# Allegro board Swan Feather PCB v1.7.brd (continued)
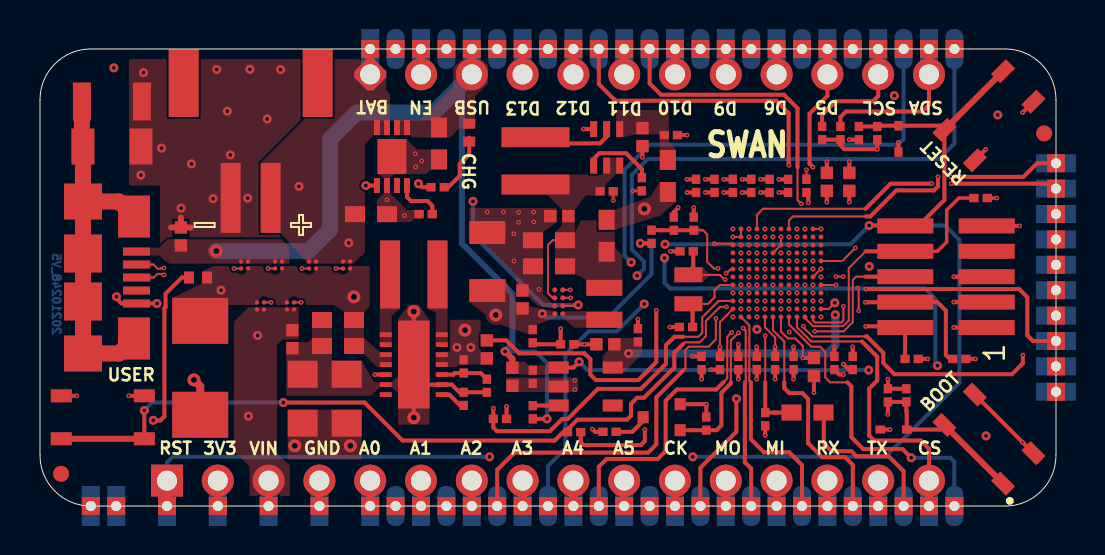
[diagram p0: board, top side]
## Routing (per net, layer and track width the routed paths; a pad name or vN(x,y) marks a point on that pad's centre or on a via; arc(x,y) is an arc through that point) (continued)
CTS: length 7.9
  TOP w0.2: PAD49.1 43.18,1.74 42.43,2.49 40.82,2.49 40.57,2.74 39.57,2.74 39.19,3.12 39.19,4.66
  TOP w0.3: 39.19,4.66 R38.2
CTS2: length 33.1
  INT1 w0.087: 32.16,8.55 32.33,8.55 32.54,8.34 37.49,8.34 37.76,8.61 37.76,8.84 36.78,9.82 36.78,10.44 37,10.66 v2(37.05,10.66)
  INT1 w0.2: 32.16,8.55 25.35,8.55 22.48,11.42 22.48,20.09 22.82,20.44 24.83,20.44 25.4,21.01 PAD22.1
CTS3: length 15.8
  INT1 w0.087: v2(37.85,12.26) 37.87,12.26 38.16,11.96 38.38,11.96 38.61,12.19 39.02,12.19 39.3,12.47 39.51,12.47 v3(39.52,12.48)
  INT1 w0.2: v3(35.55,17.5) 35.56,17.51 PAD38.1
  INT2 w0.087: 38.98,16.94 38.98,14.91 39.45,14.45 39.45,12.55 v3(39.52,12.48)
  INT2 w0.2: v3(35.55,17.5) 38.63,17.5 38.98,17.15 38.98,16.94
D0: length 39.5
  TOP w0.1: v2(40.77,12.91) 40.11,12.26 U6.H1
  INT1 w0.087: 41.27,12.62 41.2,12.62 40.91,12.91 v2(40.77,12.91)
  INT1 w0.2: PAD9.1 17.78,2.73 18.47,3.42 v3(40.64,3.42) ; v3(42.31,12.13) 42.31,12.42 42.11,12.62 41.27,12.62
  INT2 w0.2: v3(42.31,12.13) 42.5,11.94 42.5,5.28 v3(40.64,3.42)
D1: length 38.8
  GND w0.087: v1(38.65,12.26) v2(38.65,12.92)
  INT1 w0.087: v2(38.65,12.92) 38.9,13.16 40.9,13.16 41.13,12.94 41.27,12.94
  INT1 w0.2: PAD12.1 20.36,0.04 20.36,2.31 20.94,2.89 40.82,2.89 v3(41.36,3.43) ; v3(42.91,12.13) 42.91,12.48 42.45,12.94 41.27,12.94
  INT2 w0.2: v3(42.91,12.13) 42.91,4.98 v3(41.36,3.43)
D2: length 23.5
  TOP w0.1: 32.16,6.78 32.27,6.89 32.27,7.81 32.43,7.97 33.43,7.97 33.79,8.33 v2(33.79,9.38)
  TOP w0.2: 32.16,6.78 30.82,5.44 30.82,3.09 30.4,2.67 23.72,2.67 22.86,1.81 PAD18.1
  GND w0.087: v2(35.45,10.26) 35.45,10.3 36.69,11.54 36.69,11.87 37.05,12.23 v1(37.05,12.66)
  INT1 w0.087: v2(33.79,9.38) 34.57,9.38 v2(35.45,10.26)
D3: length 21.5
  INT1 w0.087: 32.16,10.09 34.45,10.09 35.26,10.9 35.66,10.9 35.75,10.81 35.95,10.81 36.49,11.36 36.49,11.36 37.09,11.95 37.09,12.3 v2(37.45,12.66)
  INT1 w0.2: 32.16,10.09 30.96,10.09 30.95,10.11 v4(30.21,10.11)
  BOTTOM w0.2: v4(30.21,10.11) 28.84,8.73 27.43,8.73 26.27,7.58 26.27,2.87 25.4,2 PAD21.1
D4: length 16
  TOP w0.1: v1(34.59,8.68) 34.36,8.46 34.36,6.38 34.17,6.19
  TOP w0.2: 34.17,6.19 33.81,5.83 31.85,5.83 31.28,5.27 31.28,2.75 30.89,2.36 28.33,2.36 27.94,1.96 PAD25.1
  GND w0.087: v1(34.59,8.68) 34.59,8.96 34.94,9.32 34.94,9.61 34.8,9.75 34.8,10.01 v1(35.05,10.26)
D5: length 16.9
  TOP w0.2: v2(38.64,16.95) 38.48,17.12 38.48,19.62 39.37,20.52 J3.10
  TOP w0.4: J3.10 PAD44.1
  GND w0.087: v2(38.45,14.47) 38.11,14.47 37.59,13.96 37.59,13.6 v1(37.45,13.46)
  GND w0.4: PAD44.1 J3.10
  INT1 w0.087: 38.66,16.94 38.66,14.67 v2(38.45,14.47)
  INT1 w0.2: v2(38.64,16.95) 38.66,16.94
  INT1 w0.4: PAD44.1 J3.10
  INT2 w0.4: PAD44.1 J3.10
  POWER w0.4: PAD44.1 J3.10
  BOTTOM w0.4: PAD44.1 J3.10
D6: length 28.8
  TOP w0.4: J3.9 PAD40.1
  GND w0.087: v3(37.03,11.4) 37.05,11.42 v1(37.05,11.86)
  GND w0.4: PAD40.1 J3.9
  INT1 w0.4: PAD40.1 J3.9
  INT2 w0.087: v3(37.03,11.4) 37.05,11.38 37.05,11.34 37.18,11.21 37.18,9.42 37.56,9.04 38.89,9.04 39.26,9.41 39.26,10.37 40.29,11.4 40.29,14.78 40.92,15.41 40.92,16.94
  INT2 w0.2: 40.92,16.94 40.92,17.55 40.03,18.44 37.09,18.44 36.83,18.7 J3.9
  INT2 w0.4: PAD40.1 J3.9
  POWER w0.4: PAD40.1 J3.9
  BOTTOM w0.4: PAD40.1 J3.9
D7: length 10.7
  INT1 w0.087: 37.02,16.94 37.02,15.33 36.65,14.96 v2(36.65,13.86)
  INT1 w0.2: 37.02,16.94 37.02,17.27 40.64,20.89 PAD46.1
D8: length 10.3
  INT1 w0.087: 36.67,16.94 36.67,16.79 36.84,16.61 36.84,15.43 36.25,14.83 v2(36.25,13.46)
  INT1 w0.2: PAD42.1 38.1,20.53 36.67,19.1 36.67,16.94
D9: length 23.6
  TOP w0.4: J3.8 PAD36.1
  GND w0.087: v3(39.96,12.07) 39.95,12.06 39.95,12.03 39.38,11.46 v1(39.05,11.46)
  GND w0.4: PAD36.1 J3.8
  INT1 w0.4: PAD36.1 J3.8
  INT2 w0.087: 39.99,16.94 39.99,12.09 v3(39.96,12.07)
  INT2 w0.2: 39.99,16.94 39.99,17.61 39.63,17.97 34.73,17.97 34.32,18.38 34.32,21.56 J3.8
  INT2 w0.4: PAD36.1 J3.8
  POWER w0.4: PAD36.1 J3.8
  BOTTOM w0.4: PAD36.1 J3.8
D10: length 19.3
  TOP w0.4: J3.7 PAD32.1
  GND w0.4: PAD32.1 J3.7
  INT1 w0.087: v2(35.85,13.06) 35.85,14.72 35.1,15.47 35.1,16.94
  INT1 w0.2: 35.1,16.94 35.1,17.19 34.81,17.47 32.37,17.47 31.75,18.1 J3.7
  INT1 w0.4: PAD32.1 J3.7
  INT2 w0.4: PAD32.1 J3.7
  POWER w0.4: PAD32.1 J3.7
  BOTTOM w0.4: PAD32.1 J3.7
D11: length 19.8
  TOP w0.4: J3.6 PAD28.1
  GND w0.4: PAD28.1 J3.6
  INT1 w0.087: 32.16,15.1 35.01,15.1 35.45,14.65 v2(35.45,13.86)
  INT1 w0.2: 32.16,15.1 31.76,15.1 29.21,17.65 J3.6
  INT1 w0.4: PAD28.1 J3.6
  INT2 w0.4: PAD28.1 J3.6
  POWER w0.4: PAD28.1 J3.6
  BOTTOM w0.4: PAD28.1 J3.6
D12: length 24.2
  TOP w0.4: J3.5 PAD24.1
  GND w0.087: v3(36.61,12.89) 36.48,12.89 v1(36.25,12.66)
  GND w0.4: PAD24.1 J3.5
  INT1 w0.4: PAD24.1 J3.5
  INT2 w0.087: v3(36.61,12.89) 36.11,13.39 36.11,14.29 35.44,14.95 32.16,14.95
  INT2 w0.2: 32.16,14.95 31.54,14.95 30.48,16.02 30.48,19.51 29.54,20.45 28.5,20.45 27.81,21.14 27.12,21.14 J3.5
  INT2 w0.4: PAD24.1 J3.5
  POWER w0.4: PAD24.1 J3.5
  BOTTOM w0.4: PAD24.1 J3.5
D13: length 28.6
  TOP w0.4: J3.4 PAD20.1
  GND w0.087: v1(36.25,11.86) 36.25,11.85 36.16,11.76 v2(35.68,11.76)
  GND w0.4: PAD20.1 J3.4
  INT1 w0.087: v2(35.68,11.76) 34.36,11.76 33.51,10.91 33.19,10.91 32.69,11.41 32.16,11.41
  INT1 w0.2: v3(25.67,20.63) 25.71,20.59 28.51,20.59 28.91,20.19 28.91,17.52 29.63,16.81 29.63,14.7 30.6,13.72 30.6,12.33 31.52,11.41 32.16,11.41
  INT1 w0.4: PAD20.1 J3.4
  INT2 w0.2: J3.4 24.13,20.9 24.4,20.63 v3(25.67,20.63)
  INT2 w0.4: PAD20.1 J3.4
  POWER w0.4: PAD20.1 J3.4
  BOTTOM w0.4: PAD20.1 J3.4
D14: length 10.2
  TOP w0.1: v1(35.15,8.9) 35.29,8.76 35.29,6.23 35.24,6.19
  TOP w0.2: PAD37.1 35.56,1.87 35.24,2.19 35.24,6.19
  GND w0.087: v1(35.15,8.9) 35.45,9.19 v1(35.45,9.86)
D15: length 11.5
  TOP w0.1: 35.54,6.19 35.47,6.26 35.47,9.04 U6.A11
  TOP w0.2: PAD41.1 38.1,2.05 37.46,2.69 36.2,2.69 35.54,3.34 35.54,6.19
DISCHRG: length 17.7
  TOP w0.2: R8.1 22.34,8.29 23.32,8.29 23.96,7.64 27.22,7.64 27.52,7.34 27.52,6.57 27.8,6.3 29.92,6.3 30.81,7.2 v2(30.81,9.79)
  INT1 w0.087: v2(35.45,10.66) 35.25,10.66 34.39,9.79 32.16,9.79
  INT1 w0.2: 32.16,9.79 30.82,9.79 v2(30.81,9.79)
EN: length 29.3
  TOP w0.1: U1.B1 26.87,10.01 v4(26.91,10.05)
  TOP w0.2: R2.1 24.71,8.09 C8.1 v2(26.03,8.87)
  TOP w0.4: J3.2 PAD14.1
  GND w0.4: PAD14.1 J3.2
  INT1 w0.1: v2(26.03,8.87) 26.03,9.85 26.24,10.05 v4(26.91,10.05)
  INT1 w0.2: J3.2 19.05,17.51 19.77,16.79 21.31,16.79 21.65,16.45 v4(21.65,15.24)
  INT1 w0.4: PAD14.1 J3.2
  INT2 w0.4: PAD14.1 J3.2
  POWER w0.4: PAD14.1 J3.2
  BOTTOM w0.2: v4(21.65,15.24) 21.65,13.56 25.15,10.05 v4(26.91,10.05)
  BOTTOM w0.4: PAD14.1 J3.2
JTDI: length 13.8
  TOP w0.1: U6.A3 38.25,9.4 38.65,9 40.15,9 40.44,9.28 40.44,11.9 41.28,12.74
  TOP w0.17: R30.1 45.94,15.4 45.33,14.8 45.33,13.2 44.87,12.74 J5.8
  TOP w0.2: 41.28,12.74 J5.8
JTDO: length 10.2
  TOP w0.1: 41.27,11.47 40.8,11.47 40.64,11.31 40.64,9.2 40.18,8.74 v1(38.74,8.74)
  TOP w0.2: 41.27,11.47 J5.6
  GND w0.087: v2(37.46,8.7) 38.7,8.7 v1(38.74,8.74)
  INT1 w0.087: v2(36.25,9.86) 36.6,9.5 36.6,8.91 36.81,8.7 v2(37.46,8.7)
LED: length 8.5
  TOP w0.1: 34.54,6.19 34.54,8.28 v1(34.93,8.66)
  TOP w0.2: 34.54,6.19 34.54,6.14 34.07,5.67 34.07,4.04 33.83,3.79 R28.1 32.51,3.79 Q1.1
  GND w0.087: v1(34.93,8.66) 34.93,8.78 34.91,8.8 34.91,9 34.93,9.02 34.93,9.06 35.13,9.26 35.13,9.78 v1(35.05,9.86)
MISO: length 25.2
  TOP w0.4: J2.13 PAD39.1
  GND w0.4: J2.13 PAD39.1
  INT1 w0.087: v2(38.25,12.26) 38.44,12.45 38.9,12.45 39.26,12.8 39.84,12.8 40.71,11.94 41.27,11.94
  INT1 w0.2: v4(41.46,11.98) 41.42,11.94 41.27,11.94
  INT1 w0.4: J2.13 PAD39.1
  INT2 w0.2: v4(41.46,11.98) 42.14,11.31 42.14,5.62 37.79,1.27 J2.13
  INT2 w0.4: J2.13 PAD39.1
  POWER w0.4: J2.13 PAD39.1
  BOTTOM w0.4: J2.13 PAD39.1
MOSI: length 26.9
  TOP w0.4: J2.12 PAD35.1
  GND w0.4: J2.12 PAD35.1
  INT1 w0.087: v3(41.03,12.29) 40.33,12.99 39.11,12.99 38.79,12.67 38.26,12.67 v2(38.25,12.66)
  INT1 w0.4: J2.12 PAD35.1
  INT2 w0.087: 41.03,6.19 v3(41.03,12.29)
  INT2 w0.2: 41.03,6.19 41.03,5.18 38.77,2.91 34.98,2.91 34.29,2.22 J2.12
  INT2 w0.4: J2.12 PAD35.1
  POWER w0.4: J2.12 PAD35.1
  BOTTOM w0.4: J2.12 PAD35.1
NEN_3V3_OUT: length 24.9
  TOP w0.1: 32.16,8.46 32.92,8.46 33.11,8.66 33.11,9.44 33.93,10.26 U6.C12
  TOP w0.2: U2.12 v1(16.74,6.57) ; v1(22.67,4.89) v3(22.67,4.36) 22.67,3.92 22.85,3.74 25.5,3.74 26.1,4.35 26.38,4.35 27.89,5.86 30.04,5.86 31.3,7.11 31.3,8.04 31.72,8.46 32.16,8.46
  GND w0.2: v1(22.67,4.89) v3(22.67,4.36) ; v3(16.74,6.13) v1(16.74,6.57)
  INT1 w0.2: v3(22.67,4.36) 20.34,4.36 18.58,6.13 v3(16.74,6.13)
Net_118:
  vias: v1(35.85,11.46)
Net_119:
  vias: v1(35.45,11.46)
QCLK: length 14.2
  INT1 w0.087: v2(37.45,13.06) 37.48,13.06 37.73,12.8 37.99,12.8 38.53,13.34 41.02,13.34 41.12,13.24 41.27,13.24 41.27,13.24
  INT1 w0.2: 41.27,13.24 48.99,13.24 50.16,12.06 PAD60.1
QCS: length 19
  TOP w0.1: 41.27,8.48 38.62,8.48 38.17,8.93 v1(38.17,8.99)
  TOP w0.2: v2(49.14,7.55) 49.14,7.14 48.6,6.59 42.72,6.59 42.17,7.15 42.17,7.66 41.35,8.48 41.27,8.48
  GND w0.087: v1(38.17,8.99) 38,9.16 38,9.75 38,9.75 38,10.11 v1(37.85,10.26)
  INT1 w0.2: PAD59.1 49.61,10.79 49.14,10.32 v2(49.14,7.55)
QEN: length 15.9
  TOP w0.1: U6.A5 37.45,9.09 38.57,7.97 39.01,7.97 39.26,7.71 39.26,6.43 39.51,6.19 40.37,6.19
  TOP w0.2: 40.37,6.19 40.57,5.99 40.57,3.44 41.16,2.85 43.12,2.85 v4(43.56,2.41)
  BOTTOM w0.2: PAD53.1 45.72,0 45.72,2.21 45.52,2.41 v4(43.56,2.41)
QIO0: length 15.2
  TOP w0.1: 41.29,14.48 37.65,14.48 37.45,14.28 U6.M5
  TOP w0.2: v1(45.55,16.46) 49.17,16.46 49.86,17.15 50.79,17.15 PAD64.1 ; v1(44.9,16.46) 44.9,15.99 44.7,15.79 42.82,15.79 41.51,14.48 41.29,14.48
  GND w0.2: v1(44.9,16.46) v1(45.55,16.46)
QIO1: length 16.4
  TOP w0.1: U6.M9 35.85,14.57 36.15,14.87 41.28,14.87
  TOP w0.2: 41.28,14.87 42.53,16.12 v1(44.58,16.12) ; PAD63.1 50.55,16.12 v1(45.56,16.12)
  GND w0.2: v1(44.58,16.12) v1(45.56,16.12)
QIO2: length 16.4
  INT1 w0.087: v2(37.45,12.26) 38.09,11.61 39.64,11.61 39.77,11.74 41.05,11.74 41.23,11.56 41.27,11.56
  INT1 w0.2: v3(47.07,12.19) 46.44,11.56 41.27,11.56 ; v3(47.07,14.59) 47.08,14.61 PAD62.1
  INT2 w0.2: v3(47.07,12.19) v3(47.07,14.59)
QIO3: length 13.2
  INT1 w0.087: 41.27,13.54 38.33,13.54 v2(37.85,13.06)
  INT1 w0.2: 41.27,13.54 49.96,13.54 50.16,13.34 PAD61.1
RST#: length 92.9
  TOP w0.2: C34.1 R29.1 41.9,19.02 TVS3.1 45.01,19.02 PB2.4 45.22,15.31 43.92,14.01 J5.10 43.24,14.03 v4(41.46,14.03)
  TOP w0.3: PB2.4 PB2.3
  TOP w0.4: J2.1 PAD3.1
  GND w0.087: v1(35.05,12.26) 34.76,12.54 33.83,12.54 v2(33.52,12.85)
  GND w0.4: J2.1 PAD3.1
  INT1 w0.087: v2(33.52,12.85) 33.47,12.8 32.16,12.8
  INT1 w0.2: 32.16,12.8 31.54,12.8 v4(31.25,13.09) ; v4(32.64,2.46) v4(22.48,2.46)
  INT1 w0.4: J2.1 PAD3.1
  INT2 w0.4: J2.1 PAD3.1
  POWER w0.4: J2.1 PAD3.1
  BOTTOM w0.2: v4(22.48,2.46) 22.48,2.46 22.12,2.46 22.12,2.46 6.63,2.46 6.35,2.18 J2.1 ; v4(31.25,13.09) 40.52,13.09 v4(41.46,14.03) 45.25,14.03 45.97,13.31 45.97,6.16 42.27,2.46 v4(32.64,2.46)
  BOTTOM w0.4: J2.1 PAD3.1
RTS: length 12.2
  TOP w0.1: U6.A7 36.65,9.46 36.65,8.79 37.21,8.23 37.21,6.19
  TOP w0.2: PAD45.1 40.64,2.06 40.25,2.44 39.11,2.44 38.41,3.14 38.41,5.35 38.11,5.65 37.46,5.65 37.21,5.9 37.21,6.19
RTS2: length 31.6
  INT1 w0.087: v2(37.05,10.26) 37.41,9.89 37.76,9.89 38.04,9.61 38.04,8.65 37.49,8.1 32.16,8.1
  INT1 w0.2: 32.16,8.1 25.32,8.1 22.13,11.29 22.13,20.22 22.86,20.95 PAD19.1
RTS3: length 19.8
  GND w0.087: v3(37.67,9.47) 37.67,9.48 37.45,9.7 v1(37.45,9.86)
  INT2 w0.087: 38.66,16.94 38.69,16.92 38.69,10.08 38.07,9.47 v3(37.67,9.47)
  INT2 w0.2: 38.66,16.94 38.51,17.09 33.57,17.09 33.02,17.64 PAD34.1
RX: length 24.8
  TOP w0.1: v2(40.89,10.9) 40.89,10.89 40.93,10.85 v2(40.93,9.76)
  TOP w0.4: J2.14 PAD43.1
  GND w0.4: J2.14 PAD43.1
  INT1 w0.087: v2(40.89,10.9) 40.88,10.9 40.79,10.81 39.7,10.81 39.6,10.91 37.7,10.91 v2(37.45,10.66) ; v2(40.93,9.76) 41.27,9.76
  INT1 w0.2: J2.14 39.37,1.96 39.85,2.43 41.25,2.43 42.78,3.97 42.78,9.42 42.44,9.76 41.27,9.76
  INT1 w0.4: J2.14 PAD43.1
  INT2 w0.4: J2.14 PAD43.1
  POWER w0.4: J2.14 PAD43.1
  BOTTOM w0.4: J2.14 PAD43.1
RX0: length 16.2
  TOP w0.1: v1(39.8,11.47) v2(40.16,11.47)
  GND w0.087: v1(38.65,11.06) 39.38,11.06 v1(39.8,11.47)
  INT1 w0.087: 41.27,11.21 41.24,11.21 40.97,11.47 v2(40.16,11.47)
  INT1 w0.2: 41.27,11.21 47.37,11.21 47.83,10.74 47.83,7.35 48.2,6.99 50.8,6.99 PAD56.1
RX2: length 31.7
  INT1 w0.087: v2(36.65,11.06) 36.65,10.54 36.28,10.16 35.74,10.16 34.7,9.12 32.16,9.12
  INT1 w0.2: v3(28.01,14.77) 28.01,12.74 29.49,11.26 29.49,9.66 30.03,9.12 32.16,9.12
  INT2 w0.2: PAD10.1 17.78,16.17 18.26,15.69 27.09,15.69 v3(28.01,14.77)
RX3: length 15.8
  TOP w0.1: v2(38.06,15.12) 37.88,15.3 37.88,16.94
  TOP w0.2: 37.88,16.94 37.88,19.89 37.2,20.57 31.04,20.57 30.48,21.14 PAD26.1
  INT1 w0.087: v2(38.06,15.12) 38.06,14.07 v2(37.85,13.86)
SCK: length 23
  TOP w0.4: J2.11 PAD31.1
  GND w0.4: J2.11 PAD31.1
  INT1 w0.087: v2(37.45,10.26) 37.78,10.26 38.23,9.81 38.23,8.07 v3(38.16,8)
  INT1 w0.4: J2.11 PAD31.1
  INT2 w0.087: v3(38.16,8) 38.16,6.19
  INT2 w0.2: 38.16,6.19 38.16,3.94 37.67,3.45 32.23,3.45 31.75,2.97 J2.11
  INT2 w0.4: J2.11 PAD31.1
  POWER w0.4: J2.11 PAD31.1
  BOTTOM w0.4: J2.11 PAD31.1
SCL: length 31.7
  TOP w0.2: J3.11 41.91,20.5 41.65,20.24 39.79,20.24 39.1,19.56 R42.1
  TOP w0.4: J3.11 PAD48.1
  GND w0.087: v3(36.28,10.66) 36.26,10.63 36.24,10.63 35.86,10.26 v1(35.85,10.26)
  GND w0.4: PAD48.1 J3.11
  INT1 w0.4: PAD48.1 J3.11
  INT2 w0.087: 41.27,14.85 40.82,14.85 40.48,14.51 40.48,9.66 39.69,8.87 37.35,8.87 36.25,9.97 36.25,10.61 36.28,10.63 36.28,10.65 v3(36.28,10.66)
  INT2 w0.2: 41.27,14.85 41.57,14.85 41.91,15.19 J3.11
  INT2 w0.4: PAD48.1 J3.11
  POWER w0.4: PAD48.1 J3.11
  BOTTOM w0.4: PAD48.1 J3.11
SCL2: length 31.7
  INT1 w0.087: 32.16,10.74 32.81,10.74 33.11,10.44 34.3,10.44 35.16,11.3 36.09,11.3 v2(36.25,11.46)
  INT1 w0.2: 32.16,10.74 31.25,10.74 29.8,12.19 v4(29.56,12.19)
  BOTTOM w0.2: PAD50.1 43.18,18.35 42.91,18.08 30.48,18.08 29.23,16.83 29.23,12.52 v4(29.56,12.19)
SCL3: length 29.9
  GND w0.087: v1(35.05,12.66) 34.5,13.2 34.13,13.2 33.87,12.94 v2(33.87,12.85)
  INT1 w0.087: 32.16,12.5 33.53,12.5 v2(33.87,12.85)
  INT1 w0.2: v4(31.22,12.41) 31.54,12.41 31.64,12.5 32.16,12.5
  INT2 w0.2: PAD58.1 48.54,9.53 46.85,7.83 45.69,7.83 v4(44.88,7.02)
  BOTTOM w0.2: v4(44.88,7.02) 44.77,7.13 44.77,10.36 44.25,10.88 31.51,10.88 31.22,11.16 v4(31.22,12.41)
SDA: length 35.1
  TOP w0.2: J3.12 44.45,20.07 44.12,19.73 40.3,19.73 40.02,19.45 R43.1
  TOP w0.4: J3.12 PAD52.1
  GND w0.087: v3(36.19,9.25) 35.98,9.46 v1(35.85,9.46)
  GND w0.4: PAD52.1 J3.12
  INT1 w0.4: PAD52.1 J3.12
  INT2 w0.087: v3(36.19,9.25) 36.75,8.69 39.83,8.69 40.69,9.55 40.69,13.38 40.91,13.61 41.27,13.61
  INT2 w0.2: 41.27,13.61 43.88,13.61 44.45,14.18 J3.12
  INT2 w0.4: PAD52.1 J3.12
  POWER w0.4: PAD52.1 J3.12
  BOTTOM w0.4: PAD52.1 J3.12
SDA2: length 33.8
  INT1 w0.087: v2(35.85,11.06) 35.81,11.1 35.22,11.1 34.39,10.27 32.88,10.27 32.74,10.41 32.16,10.41
  INT1 w0.2: 32.16,10.41 30.93,10.41 29.85,11.49 v4(29.85,11.52)
  BOTTOM w0.2: v4(29.85,11.52) 30.2,11.87 30.2,12.22 29.59,12.83 29.59,16.56 30.38,17.36 44.95,17.36 45.72,18.13 PAD54.1
SDA3: length 14.4
  TOP w0.2: v1(41.29,10.85) 48.95,10.85 49.37,10.44 49.37,8.54 49.65,8.26 PAD57.1
  GND w0.087: v1(38.65,10.66) 41.1,10.66 41.27,10.83
  GND w0.2: v1(41.29,10.85) 41.27,10.83
SWCLK: length 10.5
  TOP w0.1: v1(40.17,9.99) 40.17,9.29 40.06,9.18 38.76,9.18 38.65,9.29 U6.A2 ; v1(41.27,10.19) 41.27,10.19
  TOP w0.2: R37.2 45.49,7.36 45.29,7.56 45.29,9.77 44.86,10.2 J5.4 43.26,10.19 41.27,10.19
  GND w0.087: v1(40.17,9.99) 40.37,10.19 v1(41.27,10.19)
SWDIO: length 7.3
  TOP w0.2: 43.25,8.92 R31.1 ; 43.25,8.92 43.18,8.99 v1(41.28,8.99) ; 43.25,8.92 J5.2
  GND w0.087: 41.27,8.99 38.56,8.99 38.25,9.29 v1(38.25,9.86)
  GND w0.2: 41.27,8.99 v1(41.28,8.99)
TX: length 22.6
  TOP w0.4: J2.15 PAD47.1
  GND w0.4: J2.15 PAD47.1
  INT1 w0.087: 41.27,10.39 40.08,10.39 39.91,10.56 39.72,10.56 39.54,10.74 37.93,10.74 v2(37.85,10.66)
  INT1 w0.2: 41.27,10.39 42.91,10.39 43.11,10.19 43.11,3.67 41.91,2.47 J2.15
  INT1 w0.4: J2.15 PAD47.1
  INT2 w0.4: J2.15 PAD47.1
  POWER w0.4: J2.15 PAD47.1
  BOTTOM w0.4: J2.15 PAD47.1
TX0: length 16.6
  TOP w0.1: U6.E1 v2(39.8,11.06)
  INT1 w0.087: v2(39.8,11.06) 39.92,11.18 40.97,11.18 41.27,10.87
  INT1 w0.2: PAD55.1 47.69,5.71 47.31,6.09 47.31,10.38 46.89,10.8 41.34,10.8 41.27,10.87
TX2: length 28.3
  INT1 w0.087: v2(36.25,12.26) 36.25,12.28 36.51,12.55 36.72,12.55 36.92,12.36 36.92,12.15 36.46,11.7 36.15,11.7 35.94,11.49 35.07,11.49 34.18,10.61 33.23,10.61 32.78,11.06 32.16,11.06
  INT1 w0.2: 32.16,11.06 31.42,11.06 29.26,13.22 29.26,15.97 v3(29.23,16.01)
  INT2 w0.2: v3(29.23,16.01) 21.48,16.01 20.32,17.16 PAD15.1
TX3: length 18.4
  TOP w0.2: v2(37.45,17.05) 37.43,17.06 37.43,19.66 36.82,20.27 28.77,20.27 27.94,21.11 PAD30.1
  INT1 w0.087: v2(37.85,13.46) 37.55,13.75 37.55,13.99 37.75,14.19 37.75,16.77
  INT1 w0.1: 37.75,16.77 37.48,17.05
  INT1 w0.2: 37.48,17.05 v2(37.45,17.05)
USB_DM: length 57
  TOP w0.1: v2(6.2,11.91) 6.07,11.91 6.03,11.87 5.89,11.87 5.67,12.08 J1.2
  INT1 w0.1: PAD2.1 2.54,0.64 3.04,1.14 3.04,11.59 3.31,11.86 5.89,11.86 5.94,11.91 v2(6.2,11.91) 6.42,11.91 6.47,11.86 6.78,11.86 7.02,11.62 7.02,8.88 8.61,7.29 19.09,7.29 19.99,6.39 38.78,6.39 39.1,6.72 39.1,10.21 v2(39.05,10.26)
USB_DP: length 58
  TOP w0.1: J1.3 5.69,11.43 5.87,11.61 6.06,11.61 6.11,11.57 v2(6.2,11.57)
  INT1 w0.1: PAD1.1 3.81,0.64 3.28,1.16 3.28,11.49 3.41,11.62 5.9,11.62 5.93,11.59 6.18,11.59 v2(6.2,11.57) 6.22,11.59 6.4,11.59 6.44,11.62 6.68,11.62 6.78,11.52 6.78,8.78 8.51,7.05 18.99,7.05 19.89,6.15 38.88,6.15 39.34,6.62 39.34,10.34 39.16,10.52 38.81,10.52 38.65,10.36 v2(38.65,10.26)
USB_SHIELD: length 18.3
  TOP w0.8: J1.10 J1.8 J1.9 J1.11 3.95,7.63 J1.7 ; J1.10 2.15,15.23 C1.1 2.1,18.03 R1.1 ; J1.10 3.95,15.23 J1.6
N16738744: length 4.2
  TOP w0.2: U4.2 28.33,18.47 28,18.14 25.08,18.14 L2.1
N16739094: length 3.6
  TOP w0.2: U4.4 27.68,17.37 27.96,17.64 29.3,17.64 30.09,16.85 R9.2
N16741263: length 1.3
  TOP w0.2: U2.1 20.46,5.57 21.01,5.03 C17.1
N16741327: length 2.4
  TOP w0.2: R11.2 22.04,6.65 R6.1 20.75,6.65 20.67,6.57 U2.3
N16745194: length 20.6
  TOP w0.2: PB1.2 44.99,3.83 TVS2.1 43.34,4.73 43.32,4.75 R40.2 C35.1 42.39,5.2 v2(42.39,4.58)
  TOP w0.3: PB1.1 PB1.2
  INT1 w0.087: 41.27,8.53 v3(40.16,8.53) ; v4(35.85,8.83) v2(35.85,9.86)
  INT1 w0.2: v2(42.39,4.58) 42.39,8.2 42.06,8.53 41.27,8.53
  INT2 w0.087: v4(35.85,8.83) 35.85,8.7 36.03,8.53 v3(40.16,8.53)
N16745214: length 4.1
  TOP w0.1: v1(34.26,11.33) 34.22,11.33 33.99,11.56 32.43,11.56 Y1.1
  TOP w0.2: C33.1 32.66,11.94 32.42,11.7 Y1.1
  GND w0.087: v1(34.26,11.33) 34.53,11.06 v1(35.05,11.06)
N16745238: length 4.1
  TOP w0.1: U6.E12 33.99,11.06 33.72,10.79 33.72,10.44 33.4,10.11 32.43,10.11
  TOP w0.2: Y1.2 32.63,9.91 C32.1
N16746539: length 31
  TOP w0.2: v2(27.62,3.85) 27.75,3.71 R27.2 ; v4(5.66,4.29) 5.67,4.28 6.02,4.28 6.22,4.48 6.22,9.9 6.28,9.95 6.28,10.62 7.09,11.43 LD2.1
  INT1 w0.2: v4(5.66,4.29) 6.1,3.85 v2(27.62,3.85)
N16746559: length 1.8
  TOP w0.2: R27.1 29.62,3.71 30.16,4.25 Q1.3
N16760485: length 2.4
  TOP w0.2: R7.2 19.61,15.02 19.38,15.26 18.55,15.26 18.35,15.46 U3.8
N16792389: length 1.3
  TOP w0.2: U5.3 24.65,5.03 R13.2
N16823938: length 7.8
  TOP w0.1: v1(33.9,11.89) 33.69,11.89 33.36,12.21 33.36,13.59 33.16,13.79 C24.1
  TOP w0.2: C24.1 R39.2 31.02,13.79 31.01,13.8 R24.1
  GND w0.087: v1(35.85,12.66) 35.44,12.25 35.44,11.79 35.14,11.49 34.82,11.49 34.42,11.89 v1(33.9,11.89)
N16873164: length 7.1
  TOP w0.1: v1(36.26,8.52) 36.26,6.19
  TOP w0.2: R38.1 36.7,4.68 36.7,4.67 R25.1 36.26,6.19
  GND w0.087: v1(36.25,10.26) 36.26,10.26 36.52,10.01 36.52,8.77 v1(36.26,8.52)
N16884921: length 3.9
  TOP w0.2: R5.1 19.1,15.95 v4(18.92,16.12) ; U3.5 v4(16.29,16.03)
  INT1 w0.2: v4(18.92,16.12) 16.38,16.12 v4(16.29,16.03)
N16885011: length 3.1
  TOP w0.2: 21.46,18.43 LD1.1 21.46,17.57 20.98,17.09 20.98,16.52 20.41,15.95 R5.2
N16886357: length 40.7
  TOP w0.1: v1(34.33,9.96) 34,9.96 33.29,9.25 33.29,8.5 32.98,8.18 32.23,8.18 32.16,8.11
  TOP w0.2: PB3.4 v4(5.22,4.78) ; v4(12.17,5.18) 16.23,5.18 18.13,3.27 25.73,3.27 26.16,3.7 R41.1 26.38,3.83 26.87,4.32 29.35,4.32 29.55,4.52 29.55,5.12 29.85,5.42 30.2,5.42 31.72,6.93 31.72,7.67 32.16,8.11
  TOP w0.3: PB3.3 PB3.4
  GND w0.087: v1(34.33,9.96) 34.35,9.96 34.8,10.41 34.81,10.41 v1(35.05,10.66)
  BOTTOM w0.2: v4(5.22,4.78) 5.61,5.18 v4(12.17,5.18)

## Copper pours and planes (outline as drawn; the poured copper is in the pictures)
+1V8 on TOP: 27.31,10.51 29.11,10.51 29.11,12.54 28.73,12.91 28.73,13.91 28.08,14.29 27.06,14.29 26.75,13.69 26.73,14.81 27.3,15.53 28.23,15.53 28.23,16.03 28.83,16.62 29.16,16.62 29.16,17.42 28.16,17.42 28.16,16.58 26.48,16.58 23.08,16.59 23.08,15.58 25.35,15.58 26.11,14.81 26.11,14.04 25.75,13.69 25.75,11.59 26.75,11.59 27.31,11.31
+3V3 on TOP: 28.81,19.82 28.81,18.45 29.16,18.45 29.81,18.59 30.99,18.59 30.99,16.81 31.79,16.81 31.79,17.87 31.45,18.21 31.45,19.82
+3V3_OUT on TOP: 12.38,4.82 12.38,2.33 16.08,2.33 16.08,4.82
+3V3_OUT on TOP: 19.79,7.69 19.79,6.95 20.85,6.95 20.97,7.08 22.03,7.08 22.03,7.07 22.65,7.07 22.65,7.69 22.03,7.69 22.03,9.31 20.5,9.31 20.5,7.69
+3V3_OUT on POWER: 12.03,9.31 22.03,9.31 22.03,2.32 10.78,2.32 9.99,1.68 9.8,0.5 7.81,0.5 7.81,3.02 12.03,4.44
+3V3_USB on TOP: 28.13,6.63 28.13,7.5 28.41,7.78 28.41,8.4 29.64,8.4 29.69,8.44 30.11,8.44 30.11,7.6 29.13,6.63
+VBAT on TOP: 14.6,22.36 16.69,22.36 17.31,21.74 17.31,20.79 17.5,20.6 17.5,18.55 16.7,18.55 16.25,18.1 16.25,12.69 15.68,12.12 13.57,12.12 13.38,12.12 12.03,13.66 11.03,13.66 11.03,17.16 14.66,20.79 14.6,20.79
+VBAT on POWER: 14.6,22.36 16.69,22.36 17.5,21.55 17.5,18.95 16.25,17.71 16.25,12.12 13.57,12.12 13.38,12.12 2.42,12.12 2.42,22.35 14.6,22.35
+VIN on TOP: 10.42,9.95 12.93,9.95 12.93,8.33 12.14,8.33 11.85,8.05 11.85,2.6 12.5,2.03 12.49,0.5 10.48,0.5 10.48,1.97 9.7,2.75 9.7,9.22
+VIN on POWER: 9.7,9.31 11.85,9.31 11.85,5.55 11.86,4.6 10.23,3.98 9.7,3.98
GND on TOP: 4.45,22.36 13.45,22.36 13.45,12.34 4.45,12.34
GND on TOP: 12.31,8.2 12.31,5.52 16.55,5.52 16.99,5.95 17.59,5.95 17.9,5.64 17.9,4.06 19.48,4.06 19.48,9.27 18.95,10.08 18.45,10.08 17.9,9.35 17.9,6.51 17.59,6.19 16.71,6.19 16.08,7.27 14.6,7.27 14.6,9.71 13.6,9.71 13.6,8.4 13.4,8.2
GND on TOP: 26.9,6.43 26.9,5.7 23.31,5.7 23.31,6.43
GND on TOP: 24.42,10.47 23.82,10.47 23.82,11.49 22.2,13.1 21.47,13.1 21.47,14.91 25.83,14.91 25.83,14.19 25.15,13.69 25.15,10.61 25.63,10.14 25.86,10.14 25.86,9.88 25.01,9.88
GND on TOP: 20.35,17.83 18.84,17.83 18.32,18.35 16.87,18.35 16.87,16.6 17.11,16.5 17.2,16.4 17.2,15.66 16.85,15.31 16.85,14.2 18.53,14.2 18.72,14.39 19.18,14.39 19.18,14.81 18.35,14.81 17.5,15.66 17.5,16.4 17.7,16.6 19.3,16.6 19.55,16.83 20.35,16.83
GND on BOTTOM: 43.33,22.36 48.26,22.36 49.7,21.76 50.3,20.32 50.3,2.54 49.7,1.1 48.26,0.5 45.63,0.5 45.63,2.52 40.95,2.52 40.95,2.26 39.83,2.26 39.8,2.25 39.78,2.22 39.76,2.11 39.77,2.08 39.79,2.07 40.14,1.74 40.27,1.27 40.27,1.22 40.26,1.16 40.27,1.13 40.36,1.06 40.39,1.06 40.4,1.06 40.5,1.09 40.59,1.1 40.69,1.1 40.78,1.09 40.88,1.06 40.89,1.06 40.92,1.06 40.95,1.09 40.95,0.5 16.45,0.5 16.45,2.52 11.34,2.52 11.34,0.5 2.54,0.5 1.1,1.1 0.5,2.54 0.5,20.32 1.1,21.76 2.54,22.36 15.67,22.36 15.67,20.28 20.73,20.28 20.73,22.36 21.25,22.36 21.25,20.74 43.33,20.74 ; 11 cut-outs
GND on GND: 0.5,20.32 1.1,21.76 2.54,22.36 48.26,22.36 49.7,21.76 50.3,20.32 50.3,2.54 49.7,1.1 48.26,0.5 2.54,0.5 1.1,1.1 0.5,2.54
GND on INT1: 0.5,20.32 1.1,21.76 2.54,22.36 48.26,22.36 49.7,21.76 50.3,20.32 50.3,2.54 49.7,1.1 48.26,0.5 2.54,0.5 1.1,1.1 0.5,2.54 ; 20 cut-outs
GND on INT2: 0.5,20.32 1.1,21.76 2.54,22.36 30.11,22.36 30.11,3.97 30.11,4.32 30.09,4.34 30.08,4.35 30.05,4.35 30.02,4.34 29.66,3.97 20.87,3.97 20.87,3.37 20.02,3.37 20.68,4.03 20.75,4.07 20.83,4.09 22.3,4.09 22.33,4.09 22.35,4.11 22.4,4.19 22.4,4.22 22.37,4.3 22.37,4.36 22.67,4.66 22.97,4.36 22.96,4.3 22.93,4.22 22.93,4.19 22.99,4.11 23.01,4.09 23.03,4.09 24.96,4.09 24.98,4.09 25,4.11 25.06,4.19 25.06,4.22 25.03,4.29 25.03,4.36 25.35,4.68 25.68,4.36 25.67,4.29 25.65,4.22 25.65,4.19 25.7,4.11 25.72,4.09 25.74,4.09 27.96,4.09 27.98,4.09 27.99,4.1 28.45,4.56 28.46,4.59 28.45,4.63 28.44,4.64 28.42,4.64 28.37,4.64 26.15,4.64 26.1,4.62 26.06,4.62 25.9,4.68 25.84,4.84 25.84,4.88 25.83,4.9 25.77,4.97 25.76,4.98 25.74,4.99 21.48,4.99 21.46,4.98 21.45,4.97 19.38,2.9 19.31,2.86 19.24,2.84 17.41,2.84 17.39,2.84 17.37,2.83 16.81,2.27 16.8,2.25 16.8,2.23 16.82,2.13 16.83,2.11 16.85,2.11 17.26,1.77 17.41,1.27 17.33,0.9 17.1,0.59 17.09,0.58 17.08,0.56 17.08,0.55 17.1,0.52 17.13,0.5 17.23,0.5 17.29,0.54 17.33,0.55 18.23,0.55 18.27,0.54 18.33,0.5 18.43,0.5 18.46,0.52 18.48,0.55 18.48,0.56 18.47,0.58 18.46,0.59 18.23,0.9 18.15,1.27 18.34,1.82 18.83,2.14 18.85,2.15 18.86,2.18 18.88,2.22 18.91,2.26 19.93,3.27 19.93,2.67 19.36,2.67 19.36,0.5 2.54,0.5 1.1,1.1 0.5,2.54 ; 5 cut-outs
GND on INT2: 31.46,8.66 31.46,5.02 40.39,5.02 40.39,8.66 ; 1 cut-out
GND on INT2: 44.38,22.36 48.26,22.36 49.7,21.76 50.3,20.32 50.3,2.54 49.7,1.1 48.26,0.5 44.29,0.5 44.29,2.13 41.57,2.13 41.57,0.5 40.95,0.5 40.95,1.66 41.4,1.66 41.4,3.74 40.95,3.74 40.95,4.74 42.35,4.74 42.35,12.2 43,12.2 43,13.81 44.2,13.81 44.2,14.24 44.38,14.24 ; 1 cut-out
+VIO on TOP: 27.93,14.82 27.93,13.81 28.73,13.81 30.98,14.52 31.79,15.21 31.79,16.21 30.98,16.21 30.53,15.48 28.73,14.82
+VMAIN on TOP: 21.47,11.35 23.27,11.35 23.82,10.19 24.44,10.19 24.44,10 25.87,9.72 25.87,9.48 24.85,9.05 24.85,8.59 24.43,8.59 22.97,9.09 22.97,9.09 22.79,9.05 22.58,9.1 22.41,9.22 22.33,9.36 22.29,9.55 21.47,10.2
+VMAIN on TOP: 6.61,8.11 6.61,10.41 8.1,11.13 8.1,11.73 8.7,12.01 16.48,12.01 16.48,9.99 16.2,9.7 16.2,8.41 16.99,7.69 17.59,7.69 17.59,6.95 16.84,6.95 16.19,7.61 15.2,7.61 15.2,9.71 14.7,10.05 9.41,10.05 9.41,8.11
+VMAIN on POWER: 6.61,7.61 6.61,12.01 16.48,12.01 16.48,9.84 16.2,9.56 15.2,9.56 14.84,9.91 9.41,9.91 9.41,7.61
+VUSB on TOP: 25.37,6.56 23.97,6.56 23.93,6.6 23.31,6.6 23.31,7.22 24.23,7.22 24.43,7.02 25.23,7.02 25.43,7.23 26.43,7.23 26.43,6.63 25.44,6.63
+VUSB on TOP: 21.17,22.44 22.01,22.44 22.4,22.05 22.4,21.13 21.76,20.48 21.76,18.88 20.95,18.88 20.5,18.43 18.61,18.43 18.49,18.55 17.7,18.55 17.7,19.3 19.02,19.3 20.67,20.95 20.67,21.94
+VUSB on TOP: 5.98,12.53 4.15,12.53 4.15,12.93 5.97,12.93 6.38,13.34 12.07,13.34 12.47,12.94 12.47,12.12 6.39,12.12
N16738898 on TOP: 29.11,9.72 29.11,8.92 26.71,8.92 26.05,9.52 26.02,9.56 26.01,9.61 26.02,9.67 26.05,9.7 26.09,9.73 26.14,9.74 29.09,9.74
N16741439 on TOP: 19.37,13.28 20.37,13.28 20.37,8.71 20.39,8.69 20.39,7.95 19.79,7.95 19.79,9.66 19.37,9.88
N16741447 on TOP: 16.99,13.28 18,13.28 18,9.88 17.59,9.51 17.59,7.95 16.99,7.95
+VIO on POWER: 29.66,22.36 48.26,22.36 49.7,21.76 50.3,20.32 50.3,2.54 49.7,1.1 48.26,0.5 29.66,0.5 ; 1 cut-out

Small or netless copper shapes (teardrops, artwork), in the pictures only: 93 on TOP, 62 on GND, 90 on INT1, 28 on INT2

## Text on the board
BOTTOM: 20210248_V5
Ref Des/Silkscreen Bottom: QCS | QIO2 | QCLK | QIO3 | RX0 | QIO0 | SCL3 | QIO1 | TX0 | SDA3 | DM | DP | RST# | 3V3 | VIN | GND | BAT | A0 | D0 | RX2 | EN | A1 | TX2 | D1 | A2 | USB | RTS2 | D2 | A3 | D13 | CTS2 | D3 | A4 | D12 | TX3 | D4 | A5 | D11 | RX3 | A6 | SCK | D10 | RTS3 | A7 | MOSI | D9 | D14 | CTS3 | D6 | MISO | D15 | D8 | RX | D5 | D7 | RTS | TX | SCL | CTS | SCL2 | SDA | CS | SDA2 | QEN | 1.7 | SWAN
Ref Des/Silkscreen Top: USER | RST | 3V3 | VIN | GND | A0 | A1 | A2 | A3 | A4 | A5 | CK | MO | MI | RX | TX | CS | BOOT | RESET | BAT | EN | USB | D13 | D12 | D11 | D10 | D9 | D6 | D5 | SCL | SDA | CHG | SWAN
XSECTION_CHART: *  SURFACE - AIR 0 MM | * SOLDERMASK_TOP MASK - SOLDERMASK 0.02 MM | L1 TOP CONDUCTOR - COPPER 0.035 MM | *  DIELECTRIC - FR-4 0.08 MM | L2 GND PLANE - COPPER 0.018 MM | L3 INT1 CONDUCTOR - COPPER 0.018 MM | *  DIELECTRIC - FR-4 1.13 MM | L4 INT2 CONDUCTOR - COPPER 0.018 MM | L5 POWER PLANE - COPPER 0.018 MM | L6 BOTTOM CONDUCTOR - COPPER 0.035 MM | * SOLDERMASK_BOTTOM MASK - SOLDERMASK 0.02 MM | DESIGN CROSS SECTION CHART | ___________________________ | TOTAL THICKNESS 1.632 MM | 1-6 | 1-2 | 2-5 | 2-3
PAGE_OUTLINE: 90 ohm | 15/09/2021
User.9: Put PCB data code and/or manufacturer logo | on Bottom Side
User.17: FIGURE | FINISHED SIZE | 0.2 | 0.3 | 0.5 | 1.0 | ALL UNITS ARE IN MILLIMETERS | TOLERANCE | +0.075/-0.075 | TYPE | PLATED | QTY | 55 | 10 | 64 | 11 | 17 | DRILL CHART: TOP to BOTTOM
User.21: FIGURE | FINISHED SIZE | 0.1 | ALL UNITS ARE IN MILLIMETERS | TOLERANCE | +0.075/-0.075 | TYPE | PLATED | QTY | 211 | DRILL CHART: TOP to GND
User.23: FIGURE | FINISHED SIZE | 0.2 | ALL UNITS ARE IN MILLIMETERS | TOLERANCE | +0.075/-0.075 | TYPE | PLATED | QTY | 71 | DRILL CHART: GND to POWER
User.25: FIGURE | FINISHED SIZE | 0.1 | ALL UNITS ARE IN MILLIMETERS | TOLERANCE | +0.075/-0.075 | TYPE | PLATED | QTY | 79 | DRILL CHART: GND to INT1
